# Altium PCB Clock-v1.0.PcbDoc (part 2 of 2)
Units mm, origin at the board's own origin, x right, y up, seen from the top; angles counter-clockwise.
Board outline 85 x 65 mm, 2 copper layers (Top Layer, Bottom Layer), stack 1.448 mm thick; 101 components, 70 nets, 411 pads, 177 vias.
Unrouted connection lines stored in the file: 143.
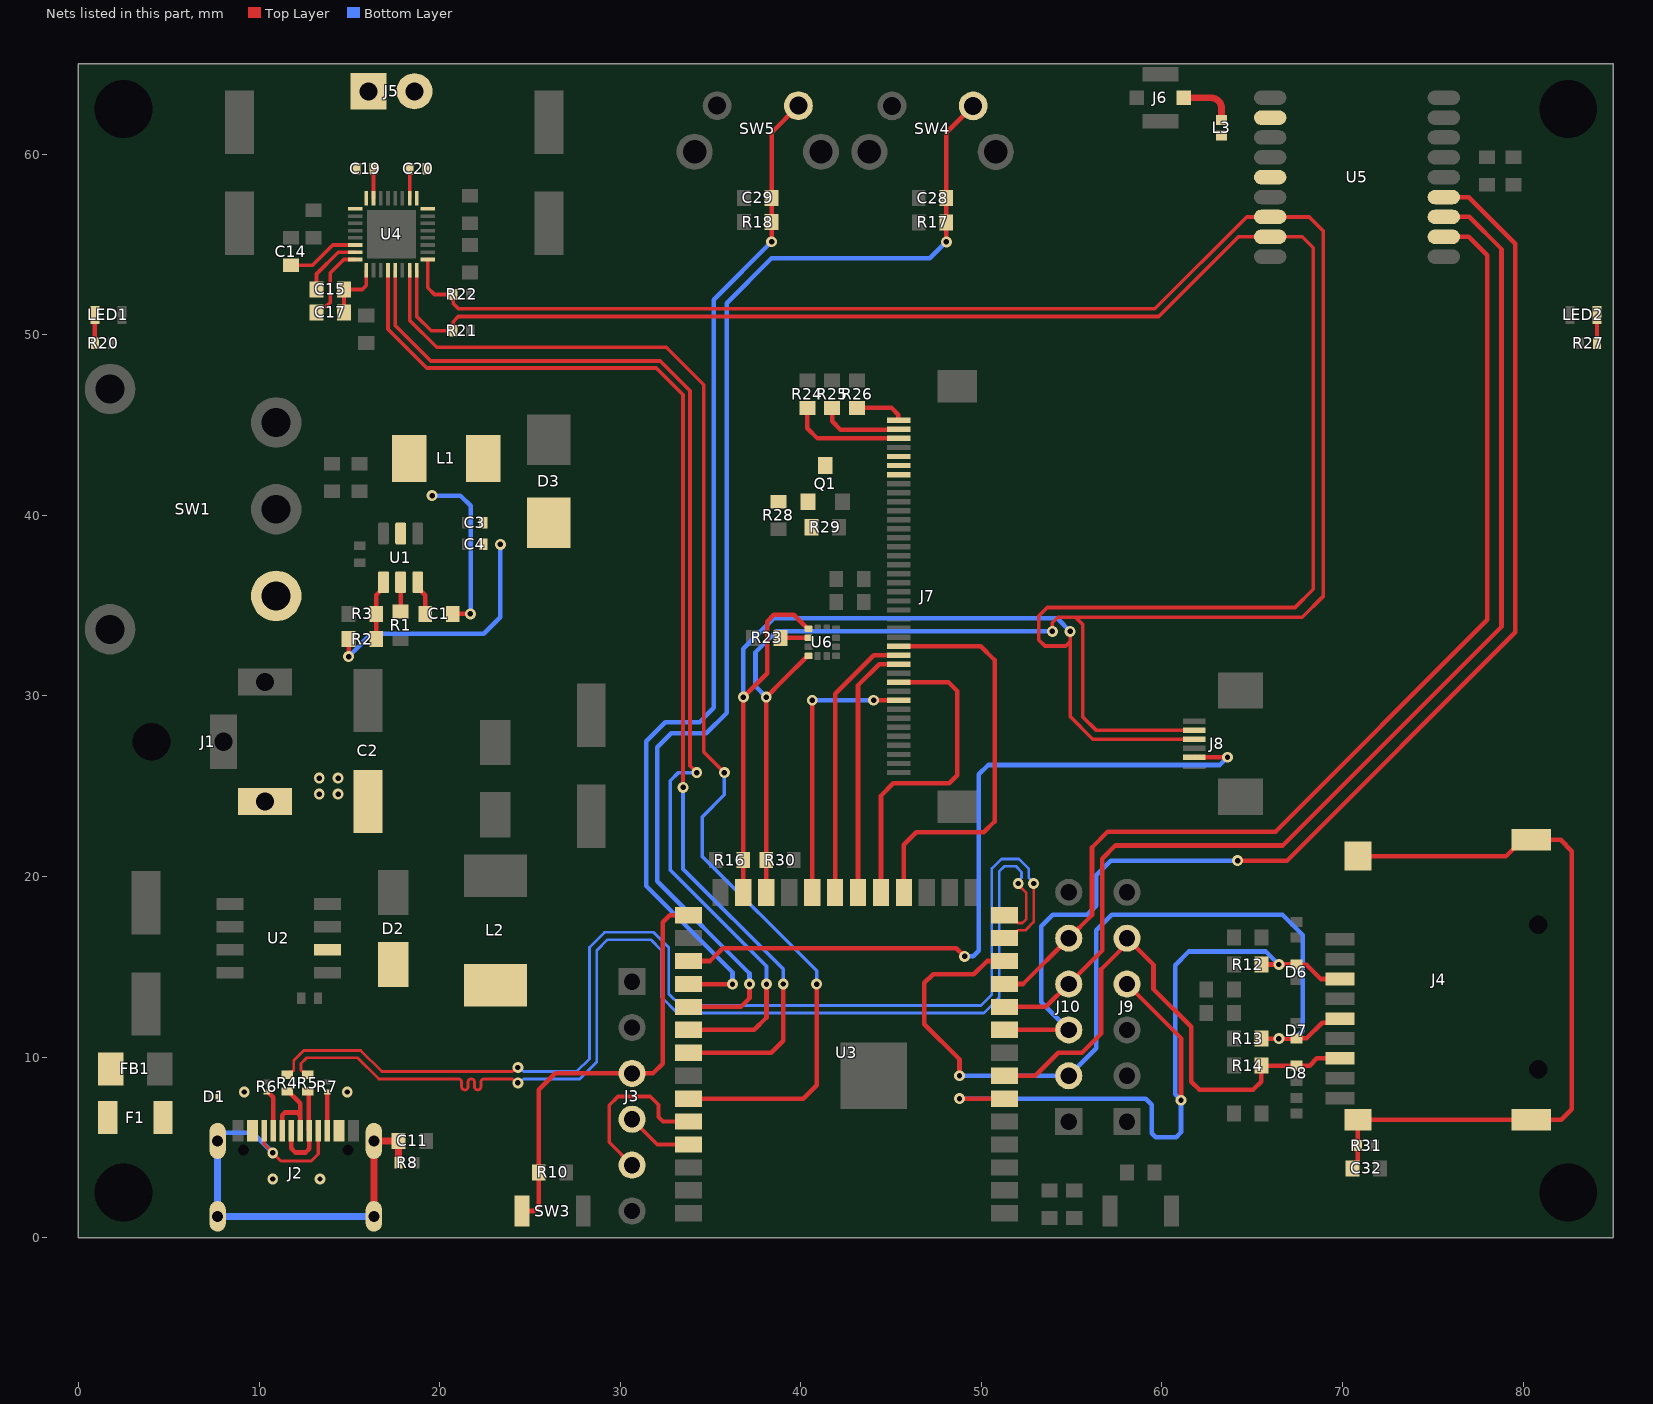
[diagram p2: the nets of this part, all layers, seen from the top]

## Via types
v1: diameter 0.6, hole 0.3, Top Layer to Bottom Layer, 177 vias

## Nets (pads, with @x,y where several pads share a name; then routed paths per layer and width w, separated by ;. In a path a pad name is that pad's centre, name@x,y a point inside that pad or via, vN(x,y) a via of type N, cw(c..) or ccw(c..) an arc to the next point about the centre after c; other vN are vias at no path point) (continued)
IO0: J3.3 R10.1 SW3.2 U3.27 | length 24.4
  Top Layer w0.254: SW3.2@24.554,1.478 25.22,1.478 25.492,1.75 R10.1@25.492,3.612 25.492,8.187 26.403,9.098 J3.3@30.658,9.098 31.818,9.098 32.348,9.629 32.348,17.459 32.75,17.861 U3.27@33.79,17.861
IPPS: J10.3 U3.9 U5.4 | length 70.5
  Top Layer w0.254: U3.9@51.29,11.511 51.295,11.506 J10.3@54.839,11.506 ; v1(64.186,20.879) 66.921,20.879 79.561,33.519 79.561,55.051 76.986,57.626 U5.4@75.612,57.626
  Bottom Layer w0.254: J10.3@54.839,11.506 53.315,13.03 53.315,17.249 53.946,17.881 55.867,17.881 56.363,18.376 56.363,20.072 57.169,20.879 v1(64.186,20.879)
LRCLK: U3.33 U4.4 | length 64.7
  Top Layer w0.203: U4.4@17.139,53.57 17.139,50.31 19.286,48.163 31.989,48.163 33.48,46.672 v1(33.48,24.937)
  Top Layer w0.254: U3.33@33.79,10.241 38.359,10.241 39.024,10.907 v1(39.024,14.051)
  Bottom Layer w0.203: v1(33.48,24.937) 33.48,20.419 39.024,14.874 v1(39.024,14.051)
MCLK: U3.32 U4.5 | length 63.7
  Top Layer w0.203: U4.5@17.539,53.57 17.539,50.514 19.509,48.544 32.212,48.544 33.861,46.895 33.861,26.137 v1(34.242,25.756)
  Top Layer w0.254: U3.32@33.79,11.511 37.419,11.511 38.1,12.192 v1(38.1,14.046)
  Bottom Layer w0.203: v1(34.242,25.756) 33.224,25.756 32.766,25.298 32.766,20.362 38.1,15.028 v1(38.1,14.046)
MISO: D8.1 J4.7 J9.5 R14.2 U3.7 | length 31.2
  Top Layer w0.254: U3.7@51.29,8.971 52.982,8.971 54.252,10.241 55.571,10.241 56.625,11.296 56.625,14.851 58.064,16.29 J9.5@58.064,16.586 59.529,15.122 59.529,13.769 61.62,11.677 61.62,8.646 62.062,8.204 65.065,8.204 65.507,8.646 R14.2@65.507,9.527 D8.1@67.444,9.527 68.175,9.527 68.577,9.928 J4.7@69.848,9.928
MOSI: D6.1 J4.3 J9.4 R12.2 U3.6 | length 44.7
  Top Layer w0.254: v1(48.789,7.701) U3.6@51.29,7.701 ; J9.4@58.064,14.046 61.054,11.056 v1(61.054,7.611) ; R12.2@65.507,15.127 v1(66.475,15.127) D6.1@67.444,15.127 ; D6.1@67.495,15.127 67.509,15.113 68.006,15.113 68.791,14.328 J4.3@69.848,14.328
  Bottom Layer w0.254: v1(48.789,7.701) 59.092,7.701 59.436,7.358 59.436,5.791 59.665,5.563 60.788,5.563 61.054,5.829 v1(61.054,7.611) 60.732,7.934 60.732,15.088 61.491,15.848 65.755,15.848 v1(66.475,15.127)
NetC1_1: C1.1 U1.6 | length 1.9
  Top Layer w0.254: U1.6@18.791,36.294 18.791,35.994 18.964,35.821 19.202,35.583 C1.1@19.202,34.544
NetC1_2: C1.2 L1.1 U1.2 | length 9.3
  Top Layer w0.254: C1.2@20.726,34.544 v1(21.701,34.544)
  Bottom Layer w0.254: v1(19.583,41.097) 21.151,41.097 21.717,40.531 21.717,34.56 v1(21.701,34.544)
NetC3_2: C3.2 C4.2 D3.1 L1.2 R2.2 | length 14.3
  Top Layer w0.254: v1(14.961,32.182) R2.2@14.961,33.152
  Bottom Layer w0.254: v1(14.961,32.182) 16.221,33.442 22.454,33.442 23.362,34.351 v1(23.362,38.394)
NetC14_1: C14.1 U4.30 | length 4
  Top Layer w0.203: C14.1@11.76,53.848 12.967,53.848 14.089,54.97 U4.30@15.339,54.97
NetC15_1: C15.1 C17.1 U4.1 | length 3.4
  Top Layer w0.203: C17.1@14.707,51.24 C15.1@14.707,52.51 15.714,52.51 15.939,52.735 U4.1@15.939,53.57
NetC15_2: C15.2 U4.31 | length 3.5
  Top Layer w0.203: C15.2@13.183,52.51 13.183,53.365 14.388,54.57 U4.31@15.339,54.57
NetC17_2: C17.2 U4.32 | length 4.3
  Top Layer w0.203: C17.2@13.183,51.24 13.183,51.28 13.462,51.56 13.713,51.56 13.943,51.79 13.943,53.424 14.688,54.169 U4.32@15.339,54.169
NetC19_1: C19.1 U4.23 | length 1.6
  Top Layer w0.203: U4.23@16.339,57.57 C19.1@16.339,59.191
NetC20_1: C20.1 U4.18 | length 1.6
  Top Layer w0.203: U4.18@18.339,57.57 C20.1@18.339,59.191
NetC32_1: C32.1 J4.S1 J4.S2 J4.S3 J4.S4 R31.1 | length 41.7
  Top Layer w0.254: C32.1@70.556,3.835 70.556,3.899 70.848,4.191 R31.1@70.848,5.105 J4.S1@70.848,6.528 J4.S2@80.448,6.528 82.113,6.528 82.7,7.115 82.7,21.411 82.082,22.028 79.948,22.028 79.048,21.128 J4.S4@70.848,21.128
NetD1_1: D1.1 F1.1 J2.A4/B9 J2.B4/A9
  other v1: 10.761,3.251 13.375,3.251 9.184,8.069 14.884,8.069
NetD2_1: D2.1 L2.1 U2.2
NetF1_2: F1.2 FB1.1
NetJ2_A5: J2.A5 R6.2 | length 2.3
  Top Layer w0.254: R6.2@10.492,8.069 10.784,7.777 J2.A5@10.784,5.931
NetJ2_A6: J2.A6 J2.B6 R5.1 | length 5.4
  Top Layer w0.254: J2.A6@11.784,5.931 11.784,4.944 12.01,4.719 12.573,4.719 12.784,4.93 J2.B6@12.784,5.931 ; R5.1@12.7,8.09 12.761,8.028 J2.B6@12.761,5.931
NetJ2_A7: J2.A7 J2.B7 R4.1 | length 4.5
  Top Layer w0.254: J2.B7@11.284,5.931 11.277,5.938 11.277,6.781 11.43,6.934 12.102,6.934 12.284,6.752 ; R4.1@11.55,8.09 11.639,8.09 12.284,7.444 12.284,6.752 ; J2.A7@12.284,5.931 12.284,6.752
NetJ2_B5: J2.B5 R7.2 | length 2.1
  Top Layer w0.254: J2.B5@13.784,5.931 R7.2@13.784,8.077
NetJ6_4: J6.4 L3.2 U5.11 | length 3.1
  Top Layer w0.381: J6.4@61.214,63.126 62.709,63.126 cw(c62.709,62.538) 63.297,62.538 L3.2@63.297,61.899
NetJ7_34: J7.34 J7.35 J7.36 Q1.3
NetJ7_38: J7.38 R24.1 | length 6.4
  Top Layer w0.254: R24.1@40.361,45.949 40.361,44.824 40.926,44.259 J7.38@45.416,44.259
NetJ7_39: J7.39 R25.1 | length 4.6
  Top Layer w0.254: R25.1@41.732,45.949 41.732,45.216 42.197,44.751 J7.39@45.404,44.751
NetJ7_40: J7.40 R26.1 | length 2.8
  Top Layer w0.254: R26.1@43.116,45.949 45.023,45.949 45.404,45.568 45.404,45.271 J7.40@45.416,45.259
NetL3_1: L3.1 U5.14
NetLED1_1: LED1.1 R20.2 | length 1.6
  Top Layer w0.254: R20.2@0.913,49.53 LED1.1@0.913,51.105
NetLED2_1: LED2.1 R27.1 | length 1.6
  Top Layer w0.203: R27.1@84.087,49.53 LED2.1@84.087,51.105
NetQ1_1: Q1.1 R28.2 R29.2
NetR1_1: R1.1 U1.5 | length 1.6
  Top Layer w0.254: R1.1@17.841,34.676 U1.5@17.841,36.294
NetR23_1: R23.1 U6.2 | length 1.5
  Top Layer w0.254: R23.1@38.88,33.22 U6.2@40.427,33.22
RESET: J7.15 U3.18 | length 22.8
  Top Layer w0.254: J7.15@45.416,32.759 49.96,32.759 50.73,31.99 50.73,23.045 50.128,22.444 46.396,22.444 45.71,21.758 U3.18@45.71,19.111
RST: J8.2 U3.29 | length 42.5
  Top Layer w0.254: U3.29@33.79,15.321 34.973,15.321 35.679,16.027 48.618,16.027 v1(49.07,15.575) ; J8.2@61.78,26.619 61.791,26.608 v1(63.627,26.608)
  Bottom Layer w0.254: v1(49.07,15.575) 49.555,15.575 49.86,15.88 49.86,25.663 50.375,26.178 63.197,26.178 v1(63.627,26.608)
RX: J10.4 U3.10 U5.3 | length 64
  Top Layer w0.254: U3.10@51.29,12.781 53.574,12.781 J10.4@54.839,14.046 56.695,15.902 56.695,20.989 57.423,21.717 66.681,21.717 78.8,33.837 78.8,54.747 77.021,56.526 U5.3@75.612,56.526
RXD0: J3.5 U3.36 | length 9.4
  Top Layer w0.203: J3.5@30.658,4.018 29.388,5.288 29.388,7.337 29.872,7.822 31.666,7.822 32.121,7.367 32.121,6.683 32.373,6.431 U3.36@33.79,6.431
SCL: J8.4 R16.2 R21.2 U3.25 U4.8 U5.17 U6.1 | length 145.4
  Top Layer w0.203: U4.8@18.739,53.57 18.739,51.016 19.531,50.224 R21.2@20.752,50.224 20.752,50.727 21.038,51.013 59.827,51.013 64.24,55.426 U5.17@65.989,55.426 67.764,55.426 68.377,54.813 68.377,35.907 67.367,34.898 53.651,34.898 53.183,34.43 53.183,33.104 53.522,32.766 54.669,32.766 54.915,33.011 ; v1(54.915,33.572) 54.915,33.011 ; J8.4@61.78,27.608 56.171,27.608 54.915,28.864 54.915,33.011
  Top Layer w0.254: U3.25@36.82,19.111 R16.2@36.82,20.909 v1(36.82,29.933) 38.135,31.248 38.135,34.119 38.504,34.488 39.609,34.488 40.377,33.72 U6.1@40.427,33.72
  Bottom Layer w0.254: v1(36.82,29.933) 36.82,32.607 38.509,34.296 54.191,34.296 v1(54.915,33.572)
SCLK: D7.1 J4.5 J10.2 R13.2 U3.12 | length 49.9
  Top Layer w0.254: v1(48.789,8.971) 48.789,9.874 46.847,11.816 46.847,14.11 47.325,14.588 49.584,14.588 50.317,15.321 U3.12@51.29,15.321 U3.12@51.613,15.644 ; R13.2@65.507,11.028 v1(66.475,11.028) D7.1@67.444,11.028 67.454,11.038 68.006,11.038 68.882,11.913 69.634,11.913 J4.5@69.848,12.128
  Bottom Layer w0.254: v1(48.789,8.971) 48.792,8.969 54.836,8.969 J10.2@54.839,8.966 56.363,10.49 56.363,17.02 57.223,17.881 66.676,17.881 67.793,16.764 67.793,11.46 67.361,11.028 v1(66.475,11.028)
SDA: J8.5 R22.2 R30.2 U3.24 U4.9 U5.16 U6.4 | length 136.6
  Top Layer w0.203: U4.9@19.339,54.17 19.339,52.606 19.714,52.231 R22.2@20.752,52.231 20.752,51.727 21.04,51.44 59.602,51.44 64.688,56.526 U5.16@65.989,56.526 68.161,56.526 68.924,55.763 68.924,35.512 67.77,34.358 55.21,34.358 ; v1(53.931,33.572) 53.931,34.059 54.231,34.358 55.21,34.358 ; J8.5@61.78,28.108 56.342,28.108 55.616,28.834 55.616,33.952 55.21,34.358
  Top Layer w0.254: U3.24@38.09,19.111 R30.2@38.09,20.909 v1(38.09,29.933) 39.067,30.909 40.329,32.172 40.377,32.22 U6.4@40.427,32.22
  Bottom Layer w0.254: v1(38.09,29.933) 37.49,30.532 37.49,32.423 38.639,33.572 v1(53.931,33.572)
SDIN: U3.35 U4.7 | length 70.3
  Top Layer w0.203: U4.7@18.339,53.57 18.339,50.809 19.842,49.306 32.545,49.306 34.623,47.228 34.623,26.902 v1(35.769,25.756)
  Top Layer w0.254: U3.35@33.79,7.701 40.137,7.701 40.879,8.443 v1(40.879,14.046)
  Bottom Layer w0.203: v1(35.769,25.756) 35.769,24.522 34.545,23.299 34.545,21.111 40.879,14.778 v1(40.879,14.046)
Shell_: C11.2 J2.A8 J2.B8 J2.S1 J2.S2 J2.S3 J2.S4 R8.2 | length 29
  Top Layer w0.178: J2.B8@10.284,5.931 10.29,5.926 10.29,5.168 v1(10.761,4.698) 11.21,4.248 12.897,4.248 13.284,4.636 J2.A8@13.284,5.931
  Top Layer w0.381: J2.S2@16.359,1.181 J2.S1@16.359,5.361 C11.2@17.729,5.361 R8.2@17.729,4.162
  Bottom Layer w0.254: J2.S4@7.709,5.361 7.709,5.564 7.949,5.804 9.654,5.804 v1(10.761,4.698)
  Bottom Layer w0.381: J2.S4@7.709,5.361 J2.S3@7.709,1.181 J2.S2@16.359,1.181
SP_N: C20.2 J5.2 U4.16 U4.17
SP_P: C19.2 J5.1 U4.24 U4.25
SPI_CS: J7.9 U3.22 | length 15.4
  Top Layer w0.254: U3.22@40.637,19.118 v1(40.637,29.759) ; v1(44.032,29.759) J7.9@45.416,29.759
  Bottom Layer w0.254: v1(40.637,29.759) v1(44.032,29.759)
SPI_SCK: J7.11 U3.19 | length 18.2
  Top Layer w0.254: U3.19@44.44,19.111 44.44,24.479 45.123,25.162 48.219,25.162 48.666,25.609 48.666,30.273 48.179,30.759 J7.11@45.416,30.759
SPI_SDI: J7.13 U3.20 | length 14.2
  Top Layer w0.254: U3.20@43.17,19.111 43.17,30.592 44.337,31.759 J7.13@45.416,31.759
SPI_SDO: J7.14 U3.21 | length 15.4
  Top Layer w0.254: U3.21@41.9,19.111 41.9,30.127 44.032,32.259 J7.14@45.416,32.259
TX: J10.5 U3.11 U5.2 | length 60.3
  Top Layer w0.254: U3.11@51.29,14.051 52.304,14.051 J10.5@54.839,16.586 56.124,17.871 56.124,21.609 57.006,22.491 66.298,22.491 78.017,34.209 78.017,54.395 76.986,55.426 U5.2@75.612,55.426
TXD0: J3.4 U3.37 | length 3.7
  Top Layer w0.203: J3.4@30.658,6.558 32.055,5.161 U3.37@33.79,5.161
USB_N: R4.2 U3.13 | length 65.3
  Top Layer w0.152: R4.2@11.55,9.03 11.702,9.182 11.833,9.182 11.922,9.271 11.922,9.819 12.475,10.372 15.628,10.372 16.801,9.2 22.519,9.2 23.913,9.2 24.02,9.2 24.244,9.423 v1(24.333,9.423) ; U3.13@51.29,16.591 51.59,16.591 52.022,17.023 52.437,17.023 52.894,17.48 52.894,19.08 v1(52.894,19.616)
  Bottom Layer w0.152: v1(24.333,9.423) 24.422,9.423 24.646,9.2 27.589,9.2 28.296,9.906 28.296,16.078 29.126,16.908 31.859,16.908 32.689,16.078 32.689,13.492 33.329,12.852 49.97,12.852 50.578,13.46 50.578,20.443 51.108,20.974 52.076,20.974 52.629,20.422 52.629,19.93 52.894,19.664 v1(52.894,19.616)
USB_P: R5.2 U3.14 | length 65.3
  Top Layer w0.152: R5.2@12.7,9.03 12.548,9.182 12.417,9.182 12.328,9.271 12.328,9.65 12.644,9.966 15.46,9.966 16.632,8.793 20.608,8.793 21.04,8.793 cw(c21.04,8.615) 21.218,8.615 21.218,8.359 ccw(c21.396,8.359) 21.574,8.359 21.574,8.615 cw(c21.752,8.615) 21.929,8.615 21.929,8.359 ccw(c22.107,8.359) 22.285,8.359 22.285,8.615 cw(c22.463,8.615) 22.463,8.793 23.089,8.793 24.02,8.793 24.244,8.569 v1(24.333,8.569) ; U3.14@51.29,17.861 51.59,17.861 52.022,17.43 52.269,17.43 52.488,17.649 52.488,19.08 52.04,19.527 v1(52.04,19.616)
  Bottom Layer w0.152: v1(24.333,8.569) 24.422,8.569 24.646,8.793 27.758,8.793 28.702,9.738 28.702,15.91 29.294,16.502 31.691,16.502 32.283,15.91 32.283,13.324 33.161,12.446 50.138,12.446 50.984,13.292 50.984,20.275 51.277,20.568 51.908,20.568 52.222,20.253 52.222,19.92 52.04,19.738 v1(52.04,19.616)
VFB: R2.1 R3.2 U1.4 | length 3.3
  Top Layer w0.254: R2.1@16.485,33.152 16.485,35.588 16.891,35.994 U1.4@16.891,36.294
VIN: C2.1 J1.4 SW1.1
  other v1: 13.335,24.562 14.376,24.562 13.335,25.451 14.376,25.451
VOL_DN: C28.2 R17.1 SW4.1 U3.31 | length 68.6
  Top Layer w0.254: U3.31@33.79,12.781 36.69,12.781 37.16,13.251 v1(37.16,14.046) ; v1(48.06,55.143) R17.1@48.06,56.228 C28.2@48.06,57.574 48.06,61.191 SW4.1@49.548,62.679
  Bottom Layer w0.254: v1(37.16,14.046) 37.16,14.632 32.055,19.737 32.055,27.157 32.83,27.932 34.764,27.932 35.89,29.058 35.89,51.74 38.379,54.229 47.145,54.229 v1(48.06,55.143)
VOL_UP: C29.2 R18.1 SW5.1 U3.30 | length 57.6
  Top Layer w0.254: U3.30@33.795,14.046 v1(36.22,14.046) ; v1(38.38,55.148) R18.1@38.38,56.233 C29.2@38.38,57.579 38.38,61.196 SW5.1@39.868,62.684
  Bottom Layer w0.254: v1(36.22,14.046) 36.22,14.704 31.45,19.474 31.45,27.498 32.502,28.55 34.39,28.55 35.182,29.342 35.182,51.95 v1(38.38,55.148)
pads on no net: J1.MH J2.MH J4.1 J4.6 J4.8 J4.MH J4.MH1 J7.1 J7.2 J7.3 J7.4 J7.8 J7.MP1 J7.MP2 J8.MP1 J8.MP2 SW1.3 SW1.4 SW1.5 SW4.3 SW5.3 U3.15 U3.16 U3.23 U3.26 U3.38 U3.39 U4.3 U5.5 U5.7 U5.9 U5.13 U5.15 U5.18 U6.11 U6.12

## Polygon pours and split planes (outlines as drawn)
SP_P on Top Layer "SP_P_L01_P023" (solid, pour order 23): 13.729,58.845 ccw(c13.301,58.845) 13.301,59.273 13.233,59.273 13.233,64.643 17.069,64.643 17.069,61.925 15.869,60.725 15.869,58.285 16.039,58.115 16.039,57.17 15.814,57.17 15.739,57.095 15.739,56.87 14.732,56.87 14.224,57.379 14.224,58.845
SP_N on Top Layer "SP_N_L01_P022" (solid, pour order 22): 20.948,58.845 cw(c21.376,58.845) 21.376,59.273 21.444,59.273 21.444,64.643 17.609,64.643 17.609,61.925 18.808,60.725 18.808,58.285 18.639,58.115 18.639,57.17 18.864,57.17 18.939,57.095 18.939,56.87 19.945,56.87 20.453,57.379 20.453,58.845
GND on Top Layer "GND_L01_P018" (solid, remove dead copper, pour order 18): 0.66,0.584 84.43,0.584 84.43,64.414 0.66,64.414
+12V on Top Layer "NONET_L-01_P-001" (solid, pour order 12): 23.647,58.776 23.251,58.379 23.251,56.998 20.574,56.998 20.247,56.67 18.941,56.67 18.941,56.07 20.257,56.07 20.538,55.789 23.236,55.789 24.605,54.42 27.965,54.42 27.965,58.776
+12V on Top Layer "NONET_L-01_P-001" (solid, pour order 11): 14.551,56.67 13.945,57.277 13.945,58.572 7.061,58.572 7.061,54.42 10.109,54.42 10.109,55.905 10.274,56.07 13.564,56.07 13.964,55.67 15.739,55.67 15.739,56.67
NetD2_1 on Top Layer "NONET_L-01_P-001" (solid, pour order 9): 13.056,15.367 13.056,16.434 25.908,16.434 26.365,15.977 26.365,12.471 26.01,12.116 16.256,12.116 16.027,12.344 16.027,15.011 15.672,15.367
+5V on Top Layer "NONET_L-01_P-001" (solid, pour order 8): 5.499,9.843 6.985,11.328 14.529,11.328 15.062,11.862 15.062,14.732 14.797,14.998 13.05,14.998 13.05,14.15 13.05,12.598 6.985,12.598 6.198,13.386 6.198,15.316 5.918,15.596 2.108,15.596 1.829,15.316 1.829,10.973 2.007,10.795 3.556,10.795 3.81,10.541 3.81,8.437 5.499,8.437
NetD1_1 on Top Layer "NONET_L-01_P-001" (solid, pour order 5): 5.791,8.331 5.791,9.373 6.452,10.033 8.152,10.033 8.4,9.785 8.4,9.03 9.367,9.03 9.934,8.462 9.934,7.444 9.934,5.161 10.854,4.242 13.248,4.242 14.134,5.128 14.134,7.477 14.446,7.789 14.446,8.422 14.584,8.56 15.327,8.56 15.469,8.418 15.469,7.835 14.734,7.1 14.734,1.899 14.416,1.581 9.784,1.581 9.334,2.031 9.334,7.43 9.124,7.64 7.594,7.64 7.594,8.153 6.991,8.153 6.604,7.766 6.604,5.938 6.304,5.639 3.81,5.639 3.81,8.073 5.533,8.073
NetC3_2 on Top Layer "NETC3_2_L01_P003" (solid, pour order 3): 21.523,45.263 21.244,44.983 21.244,40.716 21.652,40.308 22.183,40.308 22.183,37.873 22.412,37.644 27.033,37.644 27.235,37.846 27.235,40.994 24.284,40.994 24.079,41.199 24.079,45.034 23.851,45.263
+12V on Top Layer "+12V_L01_P001" (solid, pour order 1): 8.992,38.077 8.992,42.092 16.51,42.092 16.51,40.081 16.51,39.594 17.191,39.594 17.191,38.222 17.045,38.077
NetC1_2 on Top Layer "NETC1_2_L01_P000" (solid, pour order 0): 19.99,40.615 19.683,40.308 18.769,40.308 18.182,39.721 18.182,38.459 18.11,38.388 17.549,38.388 17.48,38.456 17.48,39.721 17.045,40.155 17.045,44.985 17.323,45.263 19.737,45.263 19.99,45.01
+3V3 on Bottom Layer "+3V3_L02_P021" (solid, pour order 21): 34.976,22.53 34.976,22.997 35.296,23.317 42.697,23.317 43.307,23.927 43.307,28.143 47.65,32.487 55.22,32.487 55.626,32.893 55.626,34.468 55.121,34.972 37.875,34.972 36.728,36.119 36.728,51.356 38.839,53.467 48.184,53.467 48.895,54.178 48.895,55.651 48.666,55.88 47.752,55.88 46.685,54.813 40.03,54.813 39.037,55.806 38.128,55.806 37.135,54.813 32.131,54.813 30.785,53.467 30.785,40.005 30.455,39.675 28.499,39.675 28.016,40.157 28.016,56.261 28.931,57.175 50.008,57.175 50.521,56.663 50.521,51.689 50.013,51.181 39.624,51.181 38.913,50.47 38.913,44.348 84.353,44.348 84.353,40.208 45.085,40.208 43.993,41.3 42.824,41.3 42.469,40.945 38.946,40.945 38.202,40.2 38.202,37.313 38.583,36.932 57.252,36.932 57.81,36.373 57.81,31.445 57.379,31.013 49.759,31.013 45.339,26.594 45.339,21.742 44.679,21.082 35.204,21.082 34.976,21.311
+3V3 on Bottom Layer "+3V3_L02_P020" (solid, pour order 20): 58.814,7.176 58.814,5.346 59.233,4.928 62.713,4.928 63.221,5.436 63.221,13.157 63.475,13.411 65.1,13.411 65.329,13.183 65.329,6.934 65.913,6.325 65.913,3.607 66.446,3.073 75.717,3.073 76.352,3.708 76.352,6.858 77.064,7.569 80.924,7.569 81.636,8.28 81.636,58.471 81.255,58.852 79.35,58.852 79.146,59.055 79.146,60.096 79.375,60.325 83.744,60.325 84.353,59.715 84.353,5.69 83.668,5.004 80.797,5.004 80.289,4.496 80.289,1.067 79.604,0.381 57.861,0.381 57.48,0.762 57.48,2.438 57.226,2.692 54.458,2.692 54.089,3.061 54.089,7.176
GND on Bottom Layer "GND_L02_P017" (solid, remove dead copper, pour order 17): 0.66,0.584 84.43,0.584 84.43,64.414 0.66,64.414
+12V on Bottom Layer "+12V_L02_P016" (solid, pour order 16): 7.645,53.365 8.128,52.883 21.539,52.883 22.53,53.873 22.53,58.42 22.885,58.776 24.587,58.776 24.943,58.42 24.943,51.613 24.079,50.749 7.976,50.749 7.645,50.419 7.645,43.028 8.204,42.469 8.23,42.494 12.406,42.494 12.968,41.932 12.968,38.642 12.35,38.024 5.004,38.024 4.267,38.76 4.267,58.115 4.877,58.725 11.405,58.725 11.684,58.445 11.684,56.439 11.405,56.159 8.28,56.159 7.645,55.524
NetD1_1 on Bottom Layer "NETD1_1_L02_P015" (solid, pour order 15): 13.652,4.013 13.792,3.873 13.792,2.654 13.652,2.515 10.414,2.515 10.236,2.692 10.236,3.835 10.414,4.013 11.1,4.013 11.315,4.228 11.315,5.361 10.964,5.361 10.566,5.758 10.566,7.417 10.312,7.671 8.89,7.671 8.712,7.849 8.712,8.534 8.839,8.661 15.367,8.661 15.519,8.509 15.519,7.747 15.367,7.595 12.979,7.595 12.751,7.366 12.751,4.242 12.979,4.013
VIN on Bottom Layer "VIN_L02_P004" (solid, pour order 4): 9.754,26.365 14.605,26.365 14.935,26.035 14.935,23.114 14.605,22.784 0.991,22.784 0.483,23.292 0.483,36.805 0.991,37.313 12.294,37.313 12.776,36.83 12.776,32.969 12.421,32.614 7.01,32.614 6.426,32.029 6.426,26.01 6.934,25.502 8.89,25.502

## Other copper
Top Layer:
  rectangle net NetL3_1: 62.89,58.326 63.703,61.305
  rectangle net NetL3_1: 62.997,58.326 66.896,59.126
  rectangle net NetJ6_4: 62.997,61.626 66.896,62.426
  rectangle net GND: 12.56,55.27 15.917,55.467
  rectangle net GND: 18.939,54.473 21.044,54.67
  rectangle net +3V3: 44.766,28.109 47.295,28.909
  rectangle net +3V3: 82.919,49.212 83.493,49.895
  rectangle net +3V3: 24.835,42.794 31.725,45.594
  rectangle net +3V3: 28.423,26.169 31.725,45.594
  rectangle net +3V3: 54.699,2.171 55.588,4.056
  rectangle net +3V3: 54.699,3.167 58.445,4.056
  rectangle net +3V3: 20.345,26.169 31.725,30.687
  rectangle net FB: 20.345,18.866 25.756,24.669
  rectangle net NetF1_2: 0.376,5.639 2.803,10.257
  rectangle net +3V3: 50.54,2.171 55.588,3.071
  rectangle net +3V3: 63.602,9.082 64.364,17.073
  rectangle net GND: 67.114,7.453 67.774,8.952
  rectangle net +3V3: 63.602,12.009 65.176,14.194
  rectangle net NetQ1_1: 38.316,40.378 40.97,41.219
  rectangle net NetQ1_1: 39.991,38.897 40.97,41.219
  rectangle net NetJ7_34: 40.941,42.139 46.066,43.383
  rectangle net VIN: 8.992,33.68 12.802,37.313
  rectangle net VIN: 9.881,22.403 16.827,25.905
  rectangle net VIN: 8.611,22.403 16.827,25.375
  pour cut-out: 59.014,64.126 59.014,62.226 60.814,62.226 60.814,64.126
  pour cut-out: 59.032,2.964 58.62,2.964 58.62,3.389 59.032,3.389
  pour cut-out: 68.892,9.124 67.977,9.124 67.977,9.346 68.892,9.346
  pour cut-out: 65.117,11.57 65.117,11.982 65.339,11.982 65.339,11.57
  pour cut-out: 65.63,14.159 65.63,14.571 65.851,14.571 65.851,14.159
  pour cut-out: 63.398,15.983 64.567,15.983 64.567,15.761 63.398,15.761
  pour cut-out: 64.922,15.977 65.637,15.977 65.637,15.756 64.922,15.756
  pour cut-out: 20.199,55.863 20.296,55.863 20.296,55.336 20.199,55.336
  pour cut-out: 23.715,54.58 24.339,54.58 24.339,54.359 23.715,54.359
  pour cut-out: 1.457,51.808 1.869,51.808 1.869,51.383 1.457,51.383
  pour cut-out: 12.408,53.485 12.82,53.485 12.82,53.264 12.408,53.264
  pour cut-out: 13.589,35.26 13.589,33.8 16.104,33.8 16.104,35.26
Bottom Layer:
  region net SP_P: 17.069,64.643 14.713,64.643 14.713,62.382 17.069,62.382
  rectangle net SP_N: 17.609,62.382 19.964,64.643
  rectangle net +3V3: 81.636,37.49 84.353,50.089

## Silkscreen, mask and mechanical layers (free items; w line width, h text height)
Top Overlay:
  lines w0.127: 9.119,53.365 9.119,53.696 11.163,53.696 9.449,53.696 ; 19.811,47.727 19.321,47.727 19.321,52.231 20.434,52.231 ; 20.815,35.077 20.815,35.369 23.089,35.369 ; 22.73,39.594 23.637,39.594 24.079,39.152 24.079,37.998 ; 39.675,36.271 40.005,35.941 41.475,35.941 ; 39.892,35.201 41.475,35.201 ; 53.238,0.615 52.756,0.615 52.756,3.353 55.677,3.353 55.677,3.104 ; 54.414,6.158 54.61,5.962 ; 55.677,1.402 55.677,2.317 ; 61.976,12.987 60.579,12.987 60.147,13.419 60.147,17.145 60.579,17.577 ; 66.987,6.49 66.987,5.957 68.25,5.957 68.25,19.05 66.987,19.05 ; 66.987,12.266 66.987,13.889 ; 66.987,17.866 66.987,19.05 ; 66.987,20.848 66.987,21.292 ; 60.534,21.349 66.987,21.349 66.987,19.05 ; 60.534,21.349 58.96,21.349 58.96,32.119 60.534,32.119 60.534,21.349 ; 60.579,17.577 60.579,20.523 63.525,20.523 63.525,17.577 60.579,17.577 ; 61.976,11.921 64.465,11.921 64.465,14.283 61.976,14.283 61.976,11.921 ; 74.041,0.508 77.288,0.508 77.288,3.302 74.041,3.302 74.041,0.508
  lines w0.254: 74.828,25.502 79.146,25.502 79.146,36.703 74.828,36.703 74.828,25.502 ; 79.858,25.502 84.176,25.502 84.176,36.703 79.858,36.703 79.858,25.502
  text "SP+" at 10.801,62.861 h1.24
  text "SP-" at 19.939,62.861 h1.24
  text "Vol+" at 32.651,58.411 h1.24 r90
  text "Vol-" at 53.508,58.406 h1.24 r90
  text "GPS" at 65.874,52.21 h1.24
  text "AMP Status" at 0.503,51.768 h1.2
  text "3v3 PWR" at 77.528,51.768 h1.2
  text "J9" at 82.567,37.496 h1 r90
  text "J10" at 77.309,37.155 h1 r90
  text "GND" at 75.654,35.263 h1
  text "GND" at 80.734,35.263 h1
  text "IO18" at 75.321,33.399 h1
  text "IO7" at 80.818,33.399 h1
  text "IO17" at 75.321,31.535 h1
  text "IO6" at 80.818,31.535 h1
  text "GYRO" at 43.776,29.978 h1.24 r90
  text "IO16" at 75.321,29.67 h1
  text "IO5" at 80.818,29.67 h1
  text "DISPLAY FLEX CABLE" at 53.301,28.628 h1.24 r90
  text "IO8" at 75.738,27.806 h1
  text "IO4" at 80.818,27.806 h1
  text "3V3" at 75.654,25.942 h1
  text "3V3" at 80.734,25.942 h1
  text "SD CARD" at 70.195,22.878 h1.2
  text "TOUCH FLEX CABLE" at 68.643,20.477 h1.24 r90
  text "1" at 54.136,3.556 h1
  text "1" at 75.5,3.513 h1
  text "PROGAMMING" at 29.295,3.058 h1.2 r90
  text "RESET" at 19.138,0.857 h1.2
  text "ENABLE" at 61.109,0.857 h1.2
Bottom Overlay:
  text "Rev-v1.0" at 46.751,1.512 h1.24
Board Outline:
  the board outline again, w0.254
Fabrication:
  drawing of 191 lines, arcs and shapes, not listed
  text "Layer" at 119.393,77.521 h1.52
  text "Name" at 129.804,77.521 h1.52
  text "Material" at 153.42,77.521 h1.52
  text "Thickness" at 175.258,77.521 h1.52
  text "Constant" at 191.764,77.521 h1.52
  text "Board Layer Stack" at 206.238,77.521 h1.52
  text "Top Overlay" at 129.804,74.473 h1.52
  text "Top Solder" at 129.804,71.425 h1.52
  text "Solder Resist" at 153.42,71.425 h1.52
  text "0.076mm" at 175.258,71.425 h1.52
  text "3.5" at 191.764,71.425 h1.52
  text "1" at 119.393,68.377 h1.52
  text "Top Layer" at 129.804,68.377 h1.52
  text "0.254mm" at 175.258,68.377 h1.52
  text "Dielectric 1" at 129.804,65.329 h1.52
  text "FR-4" at 153.42,65.329 h1.52
  text "0.940mm" at 175.258,65.329 h1.52
  text "4.6" at 191.764,65.329 h1.52
  text "2" at 119.393,62.281 h1.52
  text "Bottom Layer" at 129.804,62.281 h1.52
  text "0.254mm" at 175.258,62.281 h1.52
  text "Bottom Solder" at 129.804,59.233 h1.52
  text "Solder Resist" at 153.42,59.233 h1.52
  text "0.076mm" at 175.258,59.233 h1.52
  text "3.5" at 191.764,59.233 h1.52
  text "Bottom Overlay" at 129.804,56.185 h1.52
  text "Total board thickness:" at 119.393,53.137 h1.52
  text "1.600mm" at 175.258,53.137 h1.52
Mechanical 15:
  lines w0.254: -3.911,8.36 84.989,8.36 84.989,63.56 -3.911,63.56 -3.911,8.36 ; 41.24,25.464 84.99,25.464 84.99,45.464 41.24,45.464 41.24,25.464 ; 57.989,25.464 84.989,25.464 84.989,33.464 57.989,33.464 57.989,25.464
Drill Drawing:
  circle w0.254: c2.353,121.292 r0.847
  circle w0.254: c2.353,106.052 r0.508
  circle w0.254: c2.353,106.052 r0.847
  lines w0.254: 1.506,99.279 3.199,99.279 2.353,97.585 1.506,99.279 ; 1.506,101.395 1.506,101.819 1.929,102.242 1.506,102.665 1.506,103.089 1.929,103.089 2.353,102.665 2.776,103.089 3.199,103.089 3.199,102.665 2.776,102.242 3.199,101.819 3.199,101.395 2.776,101.395 2.353,101.819 1.929,101.395 1.506,101.395 ; 1.506,109.015 3.199,109.015 3.199,110.709 1.506,110.709 1.506,109.015 ; 1.506,113.249 1.929,113.249 2.353,112.825 2.776,113.249 3.199,113.249 2.776,113.672 3.199,114.095 2.776,114.095 2.353,114.519 1.929,114.095 1.506,114.095 1.929,113.672 1.506,113.249 ; 1.506,116.635 3.199,116.635 3.199,118.329 1.506,118.329 1.506,116.635 ; 1.506,125.102 2.353,124.255 3.199,125.102 2.353,125.949 1.506,125.102 ; 1.506,128.489 1.929,128.489 1.929,128.065 2.776,128.065 2.776,128.489 3.199,128.489 3.199,129.335 2.776,129.335 2.776,129.759 1.929,129.759 1.929,129.335 1.506,129.335 1.506,128.489 ; 1.506,131.875 2.353,132.299 3.199,131.875 2.776,132.722 3.199,133.569 2.353,133.145 1.506,133.569 1.929,132.722 1.506,131.875 ; 1.506,136.109 1.929,136.109 2.353,135.685 2.776,136.109 3.199,136.109 2.776,136.532 3.199,136.955 2.776,136.955 2.353,137.379 1.929,136.955 1.506,136.955 1.929,136.532 1.506,136.109 ; 1.506,141.189 3.199,141.189 2.353,139.495 1.506,141.189 ; 1.845,98.94 2.861,98.94 2.353,97.924 1.845,98.94 ; 1.845,113.418 2.099,113.418 2.353,113.164 2.607,113.418 2.861,113.418 2.607,113.672 2.861,113.926 2.607,113.926 2.353,114.18 2.099,113.926 1.845,113.926 2.099,113.672 1.845,113.418 ; 1.845,116.974 2.861,116.974 2.861,117.99 1.845,117.99 1.845,116.974
  lines w0.381: -0.013,96.442 343.603,96.442 ; -0.013,142.162 343.603,142.162 ; 13.98,92.632 13.98,145.972 ; 29.216,92.632 29.216,145.972 ; 58.417,92.632 58.417,145.972 ; 71.266,92.632 71.266,145.972 ; 89.905,92.632 89.905,145.972 ; 127.993,92.632 127.993,145.972 ; 142.976,92.632 142.976,145.972 ; 161.919,92.632 161.919,145.972 ; 190.866,92.632 190.866,145.972 ; 212.552,92.632 212.552,145.972 ; 246.426,92.632 246.426,145.972 ; 280.299,92.632 280.299,145.972 ; 307.977,92.632 307.977,145.972 ; -0.013,92.632 343.603,92.632 343.603,145.972 -0.013,145.972 -0.013,92.632
  text "Symbol" at 2.273,143.305 h1.83
  text "Count" at 15.123,143.305 h1.83
  text "Hole Size" at 30.359,143.305 h1.83
  text "Plated" at 59.56,143.305 h1.83
  text "Hole Type" at 72.409,143.305 h1.83
  text "Drill Layer Pair" at 91.048,143.305 h1.83
  text "Via/Pad" at 129.136,143.305 h1.83
  text "Pad Shape" at 144.119,143.305 h1.83
  text "Template" at 163.062,143.305 h1.83
  text "Description" at 192.009,143.305 h1.83
  text "Hole Tolerance (+)" at 213.695,143.305 h1.83
  text "Hole Tolerance (-)" at 247.569,143.305 h1.83
  text "Hole Length" at 281.442,143.305 h1.83
  text "Routed Path Length" at 309.12,143.305 h1.83
  text "1" at 15.123,139.495 h1.52
  text "2.100mm (82.68mil)" at 30.359,139.495 h1.52
  text "NPTH" at 59.56,139.495 h1.52
  text "Round" at 72.409,139.495 h1.52
  text "Top Layer - Bottom Layer" at 91.048,139.495 h1.52
  text "Pad" at 129.136,139.495 h1.52
  text "Rounded" at 144.119,139.495 h1.52
  text "c0hn210m5" at 163.062,139.495 h1.52
  text "-" at 281.442,139.495 h1.52
  text "-" at 309.12,139.495 h1.52
  text "2" at 15.123,135.685 h1.52
  text "0.600mm (23.62mil)" at 30.359,135.685 h1.52
  text "PTH" at 59.56,135.685 h1.52
  text "Slot" at 72.409,135.685 h1.52
  text "Top Layer - Bottom Layer" at 91.048,135.685 h1.52
  text "Pad" at 129.136,135.685 h1.52
  text "Rounded" at 144.119,135.685 h1.52
  text "r90_170h60_140r100" at 163.062,135.685 h1.52
  text "1.400mm (55.12mil)" at 281.442,135.685 h1.52
  text "0.800mm (31.50mil)" at 309.12,135.685 h1.52
  text "2" at 15.123,131.875 h1.52
  text "0.600mm (23.62mil)" at 30.359,131.875 h1.52
  text "PTH" at 59.56,131.875 h1.52
  text "Slot" at 72.409,131.875 h1.52
  text "Top Layer - Bottom Layer" at 91.048,131.875 h1.52
  text "Pad" at 129.136,131.875 h1.52
  text "Rounded" at 144.119,131.875 h1.52
  text "(Mixed)" at 163.062,131.875 h1.52
  text "1.700mm (66.93mil)" at 281.442,131.875 h1.52
  text "1.100mm (43.31mil)" at 309.12,131.875 h1.52
  text "2" at 15.123,128.065 h1.52
  text "0.620mm (24.41mil)" at 30.359,128.065 h1.52
  text "NPTH" at 59.56,128.065 h1.52
  text "Round" at 72.409,128.065 h1.52
  text "Top Layer - Bottom Layer" at 91.048,128.065 h1.52
  text "Pad" at 129.136,128.065 h1.52
  text "Rounded" at 144.119,128.065 h1.52
  text "c0hn62" at 163.062,128.065 h1.52
  text "-" at 281.442,128.065 h1.52
  text "-" at 309.12,128.065 h1.52
  text "2" at 15.123,124.255 h1.52
  text "1.020mm (40.16mil)" at 30.359,124.255 h1.52
  text "NPTH" at 59.56,124.255 h1.52
  text "Round" at 72.409,124.255 h1.52
  text "Top Layer - Bottom Layer" at 91.048,124.255 h1.52
  text "Pad" at 129.136,124.255 h1.52
  text "Rounded" at 144.119,124.255 h1.52
  text "c0hn102" at 163.062,124.255 h1.52
  text "-" at 281.442,124.255 h1.52
  text "-" at 309.12,124.255 h1.52
  text "3" at 15.123,120.445 h1.52
  text "1.000mm (39.37mil)" at 30.359,120.445 h1.52
  text "PTH" at 59.56,120.445 h1.52
  text "Slot" at 72.409,120.445 h1.52
  text "Top Layer - Bottom Layer" at 91.048,120.445 h1.52
  text "Pad" at 129.136,120.445 h1.52
  text "Rectangle" at 144.119,120.445 h1.52
  text "(Mixed)" at 163.062,120.445 h1.52
  text "2.200mm (86.61mil)" at 281.442,120.445 h1.52
  text "1.200mm (47.24mil)" at 309.12,120.445 h1.52
  text "4" at 15.123,116.635 h1.52
  text "1.300mm (51.18mil)" at 30.359,116.635 h1.52
  text "PTH" at 59.56,116.635 h1.52
  text "Round" at 72.409,116.635 h1.52
  text "Top Layer - Bottom Layer" at 91.048,116.635 h1.52
  text "Pad" at 129.136,116.635 h1.52
  text "Rounded" at 144.119,116.635 h1.52
  text "c200h130" at 163.062,116.635 h1.52
  text "-" at 281.442,116.635 h1.52
  text "-" at 309.12,116.635 h1.52
  text "4" at 15.123,112.825 h1.52
  text "3.200mm (125.98mil)" at 30.359,112.825 h1.52
  text "NPTH" at 59.56,112.825 h1.52
  text "Round" at 72.409,112.825 h1.52
  text "Top Layer - Bottom Layer" at 91.048,112.825 h1.52
  text "Pad" at 129.136,112.825 h1.52
  text "Rectangle" at 144.119,112.825 h1.52
  text "s0hn320" at 163.062,112.825 h1.52
  text "-" at 281.442,112.825 h1.52
  text "-" at 309.12,112.825 h1.52
  text "5" at 15.123,109.015 h1.52
  text "1.600mm (62.99mil)" at 30.359,109.015 h1.52
  text "PTH" at 59.56,109.015 h1.52
  text "Round" at 72.409,109.015 h1.52
  text "Top Layer - Bottom Layer" at 91.048,109.015 h1.52
  text "Pad" at 129.136,109.015 h1.52
  text "Rounded" at 144.119,109.015 h1.52
  text "c280h160" at 163.062,109.015 h1.52
  text "-" at 281.442,109.015 h1.52
  text "-" at 309.12,109.015 h1.52
  text "6" at 15.123,105.205 h1.52
  text "1.000mm (39.37mil)" at 30.359,105.205 h1.52
  text "PTH" at 59.56,105.205 h1.52
  text "Round" at 72.409,105.205 h1.52
  text "Top Layer - Bottom Layer" at 91.048,105.205 h1.52
  text "Pad" at 129.136,105.205 h1.52
  text "(Mixed)" at 144.119,105.205 h1.52
  text "(Mixed)" at 163.062,105.205 h1.52
  text "-" at 281.442,105.205 h1.52
  text "-" at 309.12,105.205 h1.52
  text "18" at 15.123,101.395 h1.52
  text "0.900mm (35.43mil)" at 30.359,101.395 h1.52
  text "PTH" at 59.56,101.395 h1.52
  text "Round" at 72.409,101.395 h1.52
  text "Top Layer - Bottom Layer" at 91.048,101.395 h1.52
  text "Pad" at 129.136,101.395 h1.52
  text "(Mixed)" at 144.119,101.395 h1.52
  text "(Mixed)" at 163.062,101.395 h1.52
  text "-" at 281.442,101.395 h1.52
  text "-" at 309.12,101.395 h1.52
  text "177" at 15.123,97.585 h1.52
  text "0.300mm (11.81mil)" at 30.359,97.585 h1.52
  text "PTH" at 59.56,97.585 h1.52
  text "Round" at 72.409,97.585 h1.52
  text "Top Layer - Bottom Layer" at 91.048,97.585 h1.52
  text "Via" at 129.136,97.585 h1.52
  text "Rounded" at 144.119,97.585 h1.52
  text "v60h30" at 163.062,97.585 h1.52
  text "-" at 281.442,97.585 h1.52
  text "-" at 309.12,97.585 h1.52
  text "226 Total" at 15.123,93.775 h1.52
  text "Slot definitions :" at 2.273,90.093 h1.52
  text "Routed Path Length" at 28.504,90.093 h1.52
  text "= Calculated from tool start centre position to tool end centre position." at 56.511,90.093 h1.52
  text "Hole Length" at 28.504,87.554 h1.52
  text "= Routed Path Length + Tool Size = Slot length as defined in the PCB layout" at 46.101,87.554 h1.52

## Dimensions
85,65 to 85,0 on Board Outline
0,65 to 85,65 on Board Outline

## Text inside footprints (layer, text, board x,y; h text height)
J2: Mechanical 13 "PCB Edge" at 10.696,0.558 h0.8
J4: Top Overlay "PCB Edge" at 84.388,10.316 h1 r90
J7: Top Overlay "40" at 47.193,44.628 h0.76 r90; Top Overlay "1" at 47.092,25.629 h0.76 r90; Mechanical 13 "PCB Edge" at 50.317,34.312 h0.8 r90
SW1: Top Overlay "Board Edge" at 1.687,37.152 h0.76 r90
SW4: Top Overlay "Board Edge" at 49.939,64.258 h0.51 r180
SW5: Top Overlay "Board Edge" at 40.26,64.263 h0.51 r180